# Altium PCB STMF1.PcbDoc (continued)
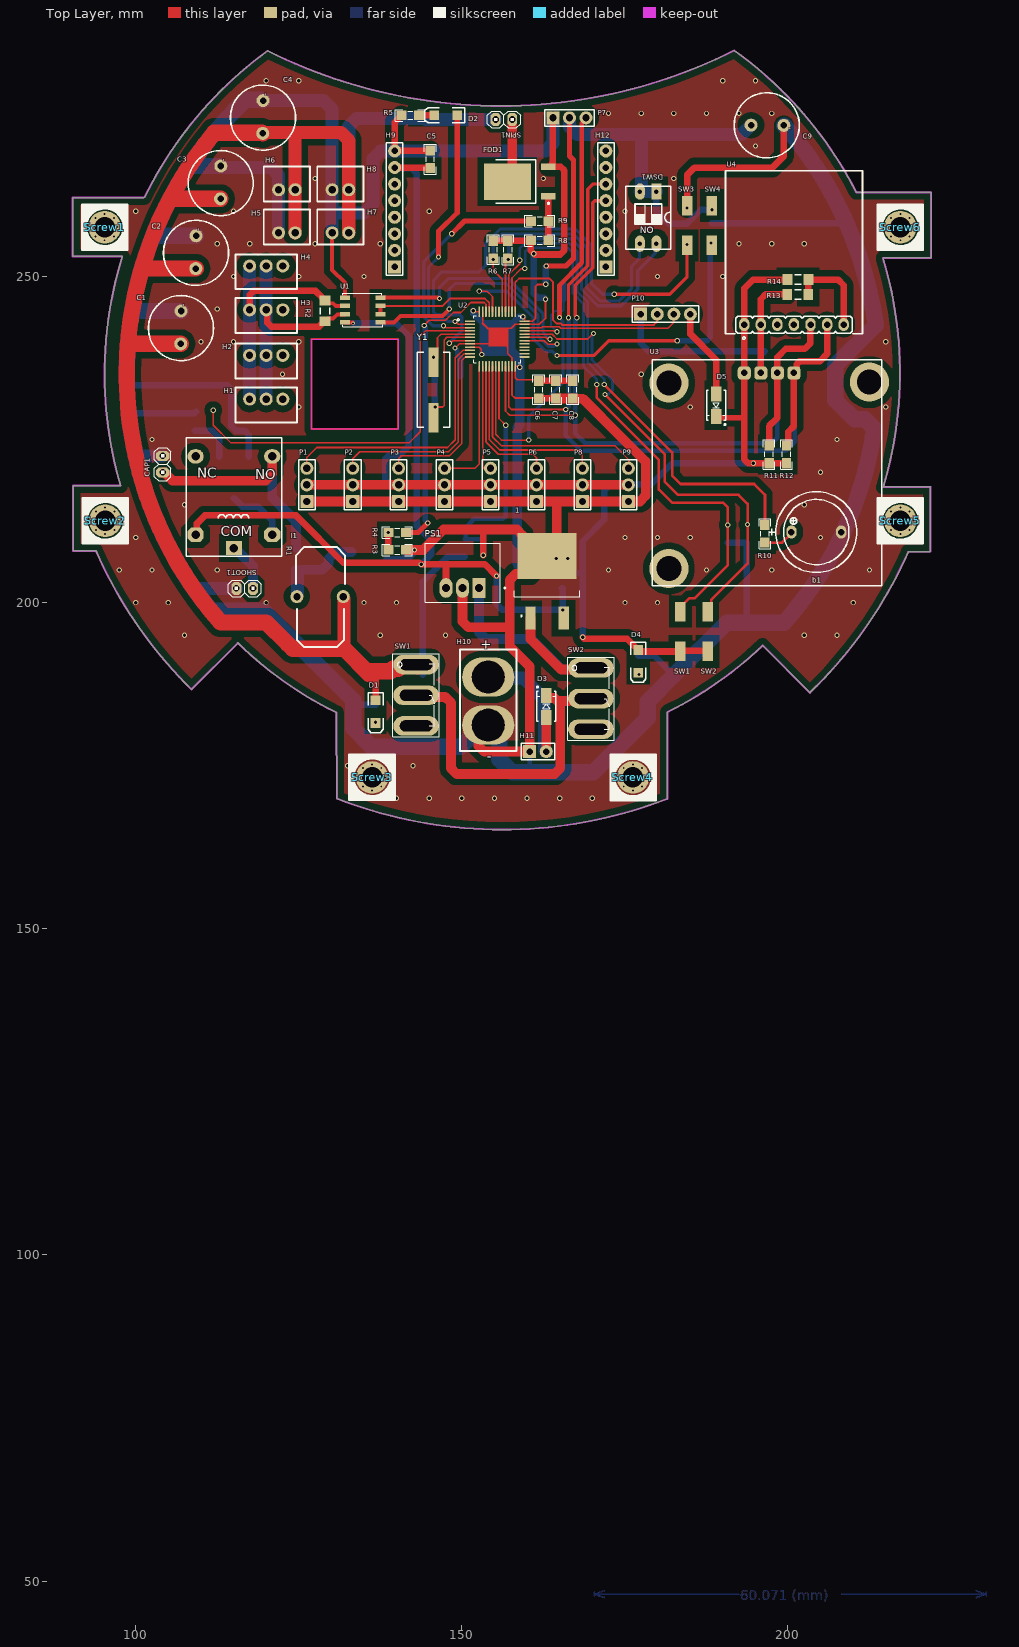
[diagram p0: Top Layer view]
## Nets (pads, with @x,y where several pads share a name; then routed paths per layer and width w, separated by ;. In a path a pad name is that pad's centre, name@x,y a point inside that pad or via, vN(x,y) a via of type N, cw(c..) or ccw(c..) an arc to the next point about the centre after c; other vN are vias at no path point)
3.3V: 
5V: 1.3 2.3 C5.2 H9.7 PS1.3 R1.4 | length 144.7
  Top Layer w1: R1.4 109.391,210.621 109.391,212.134 110.617,213.36 124.587,213.36 131.826,206.121 143.51,206.121 v1(143.764,205.867) 147.574,205.867 ; H9.7 139.74,266.66 145.121,266.66 C5.2 ; PS1.3 147.574,205.867 ; v1(155.321,204.089) 153.543,205.867 147.574,205.867
  Bottom Layer w1: H9.7 139.827,266.573 142.282,266.573 143.076,265.779 143.076,241.469 143.109,241.437 143.109,211.729 145.288,209.55 145.288,207.391 v1(143.764,205.867) ; v1(155.321,204.089) 155.321,199.771 156.21,198.882 v1(165.481,198.882) 165.481,202.17 2.3
12V: 1.1 PS1.1 SW2.3 | length 40.9
  Top Layer w1.5: 1.1 160.528,194.437 165.234,189.731 169.538,189.731 SW2.3
  Bottom Layer w1.5: PS1.1 152.654,195.453 153.67,194.437 160.655,194.437 165.298,189.794 169.601,189.794 SW2.3
+3.3V: 
+5: 
A: H1.3 H2.3 H3.3 H4.3 R2.2 U1.6 | length 38.1
  Top Layer w0.6: R2.2 129.462,245.899 130.275,245.899 130.683,245.491 U1.6
  Top Layer w1: H3.3 117.475,247.191 118.061,247.777 127.584,247.777 128.682,246.679 R2.2@128.682,246.579
  Bottom Layer w2: H1.3 H2.3 H3.3 H4.3
ADC0: P1.3 U2.10 | length 40.8
  Top Layer w0.25: P1.3 126.238,222.25 127.762,223.774 147.807,223.774 148.925,224.892 148.925,224.917 ; 148.971,224.917 148.971,237.363 148.987,237.379 148.987,237.523 150.125,238.661 U2.10
ADC1: P2.3 U2.11 | length 33.5
  Top Layer w0.25: P2.3 133.279,222.052 134.366,223.139 147.955,223.139 149.479,224.663 149.479,237.109 149.487,237.117 149.487,237.316 150.332,238.161 150.369,238.161 U2.11
ADC2: P3.3 U2.12 | length 26.4
  Top Layer w0.25: P3.3 140.321,222.109 140.716,222.504 148.103,222.504 149.987,224.388 149.987,237.109 150.539,237.661 U2.12
ADC3: P4.3 U2.13 | length 20.6
  Top Layer w0.25: P4.3 152.019,220.599 152.698,221.278 U2.13
ADC4: P5.3 U2.14 | length 16.7
  Top Layer w0.25: U2.14 153.198,220.775 153.374,220.599 P5.3
ADC5: P6.3 U2.15 | length 21.9
  Top Layer w0.25: 153.698,224.635 U2.15 ; 153.752,224.635 153.752,224.581 155.575,222.758 160.909,222.758 161.445,222.222 P6.3
ADC6: P8.3 U2.16 | length 28.6
  Top Layer w0.25: 154.198,225.024 U2.16 ; 154.252,225.024 154.252,224.97 155.829,223.393 167.894,223.393 168.487,222.8 P8.3
ADC7: P9.3 U2.17 | length 34.5
  Top Layer w0.25: 154.698,225.413 U2.17 ; 154.752,225.413 154.752,225.359 156.083,224.028 173.482,224.028 175.641,221.869 175.641,220.712 P9.3
ADC8: P7.3 U2.18 | length 69.3
  Top Layer w0.25: U2.18 155.198,225.802 156.083,224.917 v1(160.274,224.917)
  Top Layer w0.7: v1(164.973,243.713) 164.973,248.666 168.402,252.095 168.402,273.51 169.037,274.145 P7.3
  Bottom Layer w0.5: v1(160.274,224.917) 160.274,228.473 165.496,233.695 165.496,243.109 164.973,243.632 v1(164.973,243.713)
ADC9: R22.1 R23.1 U2.19 | length 34.9
  Top Layer w0.25: U2.19 155.698,228.223 v1(156.718,227.203)
  Bottom Layer w0.7: R22.1 R23.1 150.585,209.855 150.585,211.523 151.914,212.852 156.308,212.852 156.718,213.262 v1(156.718,227.203)
ADC10: 
ADC11: 
ADC12: 
ADC13: 
ADC14: 
ADC15: 
ADCOUT: 
ADD0: 
ADD1: 
ADD2: 
ADD3: 
"AIR MIX MA +": 
"AIR MIX MA -": 
B: H1.2 H2.2 H3.2 H4.2 R2.1 U1.7 | length 35.4
  Top Layer w0.6: R2.1 129.462,243.559 130.275,243.559 130.907,244.191 132.031,244.191 U1.7
  Top Layer w1: H3.2 120.206,244.699 120.206,242.902 120.792,242.316 128.119,242.316 128.932,243.129 R2.1
  Bottom Layer w2: H1.2 H2.2 H3.2 H4.2
b11: 
b12: 
b13: 
b14: 
b21: 
b22: 
b23: 
b24: 
BAT_Volt: 
BOOST_CTRL: R4.1 U2.46 | length 46.6
  Top Layer w0.25: v1(144.23,242.476) 145.023,243.268 147.511,243.268 148.717,244.475 149.86,244.475 151.384,245.999 153.416,245.999 153.698,245.717 U2.46
  Top Layer w0.8: R4.1 143.315,210.752 v1(144.78,212.217)
  Bottom Layer w0.8: v1(144.23,242.476) 144.403,242.304 144.403,212.594 v1(144.78,212.217)
BOOT0: R17.2 SW4.1 U2.44 | length 62.2
  Top Layer w0.25: v1(152.681,247.75) 153.865,247.75 154.698,246.917 U2.44
  Top Layer w0.5: v1(164.592,237.871) 170.226,237.871 172.512,240.157 v1(183.007,240.157)
  Bottom Layer w0.5: v1(152.681,247.75) 156.892,247.75 160.933,243.709 160.933,240.452 162.867,238.518 163.887,238.518 164.534,237.871 v1(164.592,237.871)
  Bottom Layer w0.8: v1(183.007,240.157) 187.621,240.157 188.09,240.626 188.09,255.069 188.164,255.143 v1(188.214,255.143) R17.2@188.443,255.372
buz: b1.1 R10.2 | length 4.9
  Top Layer w0.4: R10.2 199.107,209.194 200.533,210.62 b1.1
Buzzer: R10.1 U2.39 | length 80.5
  Top Layer w0.25: U2.39 157.198,250.289 158.877,251.968 v1(158.877,252.476)
  Top Layer w0.4: v1(171.831,233.426) 182.245,223.012 182.245,219.456 183.515,218.186 194.818,218.186 196.469,216.535 R10.1
  Bottom Layer w0.4: v1(158.877,252.476) 158.877,254.254 159.698,255.075 162.335,255.075 166.468,255.075 167.655,253.888 167.655,247.713 169.306,246.062 169.306,236.84 171.831,234.315 v1(171.831,233.426)
DIP1: DSW1.4 R7.2 U2.40 | length 48
  Top Layer w0.25: U2.40 156.698,252.386 R7.2
  Bottom Layer w0.5: v1(157.099,252.603) 157.188,252.692 157.188,255.105 157.858,255.775 166.157,255.775 166.758,255.775 168.355,254.178 168.355,248.003 170.855,245.503 174.447,245.503 176.976,248.032 176.976,250.89 179.641,253.555 179.641,254.826 DSW1.4
DIP2: DSW1.3 R6.2 U2.41 | length 49.1
  Top Layer w0.25: R6.2 154.813,250.952 156.198,249.567 U2.41
  Bottom Layer w0.5: v1(154.813,252.603) 154.813,255.143 156.195,256.525 166.467,256.525 167.069,256.525 169.105,254.489 169.105,248.314 171.166,246.253 174.137,246.253 176.022,248.138 176.022,251.587 177.244,252.809 177.244,254.969 DSW1.3
DIPSW1: 
DIPSW2: 
ENA_1: 
ENA_2: 
ENA_3: 
ENA_4: 
ENB_1: 
ENB_2: 
ENB_3: 
ENB_4: 
GATE: FDD1.1 R8.1 R9.1 | length 6.7
  Top Layer w1: R8.1 R9.1 FDD1.1
GATE_BOOST: FDD2.1 R3.2 R4.2 | length 2.7
  Top Layer w1: R3.2 v1(138.731,210.752) R4.2@138.737,210.746
GATE_RELAY: FDD3.1 R25.2 R26.2 | length 7.2
  Bottom Layer w1: R26.2 R25.2 111.76,226.311 112.782,225.289 FDD3.1
GND: 1.4 2.1 b1.2 C1.- C2.- C3.- C4.- C5.1 C6.1 C7.1 C8.1 C9.- C10.2 C11.2 CAP1.2 FDD1.3 FDD2.3 FDD3.3 H5.1 H6.1 H7.1 H8.1 H9.8 H10.2 H11.1 P1.1 P2.1 P3.1 P4.1 P5.1 P6.1 P7.1 P8.1 P9.1 P10.1 PS1.2 R3.1 R5.1 R6.1 R7.1 R8.2 R13.1 R15.1 R16.2 R17.1 R19.1 R21.2 R22.2 R24.1 R26.1 Screw3.S Screw4.S SHOOT1.1 SW3.2 U1.5 U2.8 U2.23 U2.35 U2.47 U3.1 U4.2 | length 859.9
  Top Layer w0.25: v1(148.971,239.035) 149.597,239.661 U2.8 154.547,239.661 154.559,239.649 ; 153.198,242.788 U2.47 ; 156.822,242.039 157.584,242.039 158.206,242.661 U2.35 161.889,242.661 162.818,243.59 ; 157.02,239.22 157.02,238.204 157.698,237.526 U2.23 157.698,231.811 158.115,231.394
  Top Layer w0.3: 153.198,242.788 153.947,242.039 154.455,242.039 155.448,241.046 ; 156.718,241.935 156.822,242.039 ; 156.972,239.268 157.02,239.22 ; 158.115,231.394 161.718,231.394 C6.1 ; 162.818,243.59 v1(162.818,246.519)
  Top Layer w0.6: H7.1 130.124,251.003 132.061,249.066 U1.5
  Top Layer w1: R5.1 140.713,274.701 140.488,274.476 140.488,274.426 139.7,273.638 H9.8 139.74,269.28 145.121,269.28 C5.1 ; 153.162,211.201 153.289,211.074 v1(153.289,207.264) ; R6.1 154.843,255.507 160.545,255.507 R8.2 160.575,253.936 v1(161.036,253.475) ; 157.226,198.247 157.353,198.374 ; v1@161.043,253.482 161.161,253.365 165.1,253.365 165.735,254 165.735,266.235 165.149,266.821 FDD1.3@163.875,266.821 ; C6.1 C7.1 ; FDD1.3 FDD1.3@163.875,266.821 ; P7.1 163.957,267.503 163.875,267.421 FDD1.3@163.875,266.821 ; v1(184.531,260.477) SW3.2 184.531,265.557 185.674,266.7 197.612,266.7 199.367,268.455 C9.- ; U3.1 U4.2 195.834,246.507 196.571,247.244 R13.1
  Top Layer w1.5: P1.1 P2.1 P3.1 P4.1 P5.1 P6.1 164.55,215.519 ; R3.1 v1(142.754,208.085) 144.077,208.085 147.193,211.201 153.162,211.201 158.439,211.201 159.318,210.322 159.318,209.887 162.068,207.137 1.4 ; PS1.2 150.114,197.094 150.993,196.215 157.353,196.215 ; H10.2@152.543,181.229 152.543,178.044 153.422,177.165 H11.1 160.401,190.246 157.353,193.294 157.353,196.215 ; C7.1 C8.1 167.03,231.289 167.505,231.289 167.53,231.264 168.532,231.264 174.498,225.298 178.181,221.615 178.181,216.398 177.302,215.519 P9.1 P8.1 164.55,215.519 ; 157.353,196.215 157.353,198.374 157.353,203.508 158.232,204.387 160.318,204.387 1.4 ; 1.4 164.55,208.619 164.55,215.519
  Bottom Layer w0.7: v1(148.971,239.035) 148.971,239.008 149.303,238.676 149.303,237.965 C11.2 ; 160.274,173.99 160.401,174.117 H11.1 H11.1@160.586,176.98
  Bottom Layer w1: 98.829,233.299 114.095,233.299 114.681,232.713 114.681,227.044 115.351,226.375 116.672,226.375 117.342,225.705 FDD3.3 ; 98.947,229.083 98.968,229.061 R26.1 R26.1@109.259,229.286 ; 133.35,185.039 134.032,184.357 R24.1 ; C10.2 C11.2 ; v1(161.036,253.475) 161.036,247.351 161.622,246.765 162.572,246.765 v1(162.818,246.519) ; R19.1 179.498,191.85 182.501,188.847 ; P10.1 177.419,239.776 178.689,238.506 196.42,238.506 195.834,237.92 U3.1 ; R17.1 208.868,258.144 209.053,257.959 ; R16.2 R15.1 193.642,197.034 193.548,196.939
  Bottom Layer w1.5: FDD2.3 141.056,206.387 v1(142.754,208.085)
  Bottom Layer w2: 99.99,222.64 100.126,222.504 CAP1.2 ; 108.682,202.551 109.049,202.184 SHOOT1.1 ; C3.- 113.281,266.7 120.748,266.7 121.92,265.528 H6.1 H5.1 ; C4.- 119.55,276.987 128.778,276.987 130.124,275.641 H8.1 130.124,259.715 ; H7.1 130.124,259.715 ; P7.1 163.957,270.412 162.785,269.24 H9.8 137.57,269.24 136.398,268.068 136.398,261.112 135.001,259.715 130.124,259.715
  Bottom Layer w2.5: C1.- 99.739,244.706 99.494,244.952 ; C2.- 103.008,256.241 102.77,256.478 ; C3.- 108.78,266.931 108.471,267.241 ; C4.- 119.396,277.095 116.866,277.095 ccw(c156.235,235.052) 108.471,267.241 ; C9.-@199.415,273.133 cw(c156.209,235.043) 209.053,257.959 cw(c153.124,233.705) 213.444,242.527 207.264,236.347 207.264,231.013 210.185,228.092 211.817,228.092 213.214,226.695 cw(c156.221,235.03) 199.427,196.939 193.548,196.939 190.593,196.939 182.501,188.847 178.498,184.845 178.498,182.308 170.18,173.99 160.274,173.99 157.734,173.99 155.721,176.003 155.721,179.612 154.104,181.229 153.139,181.229 149.837,177.927 136.144,177.927 133.35,180.721 133.35,185.039 119.634,198.755 111.634,198.755 cw(c140.975,224.622) 108.682,202.551 cw(c156.235,235.052) 99.99,222.64 cw(c156.235,235.052) 98.947,229.083 cw(c156.235,235.052) 98.736,231.666 cw(c156.235,235.052) 99.494,244.952 ; 99.494,244.952 cw(c156.235,235.052) 102.77,256.478 ; 102.77,256.478 cw(c156.235,235.052) 108.471,267.241
  other v1: 140,170 145,170 150,170 155,170 160,170 165,170 170,170 175,170 132.5,175 142.5,175 107.5,195 137.5,195 147.5,195 202.5,195 207.5,195 100,200 105,200 120,200 135,200 140,200 175,200 180,200 210,200 97.5,205 102.5,205 112.5,205 172.5,205 187.5,205 197.5,205 212.5,205 164.465,206.756 166.243,206.756 100,210 175,210 180,210 185,210 205,210 107.5,215 202.5,215 205,220 102.5,225 207.5,225 125,230 185,230 215,230 122.5,235 177.5,235 110,240 115,240 125,240 215,240 112.5,245 115,250 125,250 135,250 180,250 190,250 112.5,255 117.5,255 127.5,255 137.5,255 192.5,255 197.5,255 202.5,255 100,260 115,260 145,260 175,260 127.5,265 162.5,265 182.5,265 195,270 172.5,275 177.5,275 182.5,275 187.5,275 192.5,275 197.5,275 120,280 125,280 190,280 195,280
I2C_SCL: 
I2C_SDA: 
ID: R20.1 R21.1 U2.33 | length 14.1
  Top Layer w0.25: U2.33 164.049,241.661 164.092,241.618 164.487,241.618 v1(164.592,241.513)
  Bottom Layer w0.3: v1(164.592,241.513) 163.703,242.402 163.703,244.094 164.338,244.729 165.432,244.729 165.608,244.905 165.608,246.47 R21.1
  Bottom Layer w1: R21.1 165.55,246.551 165.55,248.782 R20.1
INA1: U2.28
INA2: U2.27
INA3: U2.26
INA4: U2.25
INA_1: 
INA_2: 
INA_3: 
INA_4: 
INB1: 
INB2: 
INB3: 
INB4: 
INB_1: 
INB_2: 
INB_3: 
INB_4: 
Inductor: D6.1 FDD2.4 I1.1 | length 17.8
  Bottom Layer w1.5: I1.1@124.587,201.041 D6.1 ; I1.1 125.095,201.295 125.095,205.056 128.602,205.056 129.611,206.065 129.611,206.738 130.645,207.772 FDD2.4@133.096,207.772
IO: U1.2 U1.3 U2.45 | length 20.1
  Top Layer w0.25: 153.534,246.634 154.198,245.97 U2.45
  Top Layer w0.3: U1.3 147.066,245.491 148.209,246.634 153.534,246.634
  Top Layer w0.6: U1.2 U1.3
LED1: D1.2 R24.2
  other v1: 136.779,181.657
LED2: D4.2 R19.2
  other v1: 177.165,188.976
LED3: D2.1 U2.2 | length 39.3
  Top Layer w0.25: v1(148.971,243.078) 149.052,243.078 149.469,242.661 U2.2
  Top Layer w0.8: v1(146.431,252.984) 146.431,256.921 149.287,259.777 D2.1
  Bottom Layer w0.5: v1(146.431,252.984) 144.895,251.448 144.895,244.203 145.751,243.347 147.567,243.347 147.821,243.093 148.956,243.093 v1(148.971,243.078)
LED3_RES: D2.2 R5.2 | length 2.3
  Top Layer w1: R5.2 143.465,274.703 145.784,274.703 D2.2
LED4: 
LED5: 
M1: FDD1.4 SPIN1.2 | length 9.5
  Top Layer w1.5: FDD1.4 157.734,265.3 SPIN1.2@157.734,273.685
MA1: 
MA2: 
MA3: 
MA4: 
MB1: 
MB2: 
MB3: 
MB4: 
"MODE MA +": 
"MODE MA -": 
MOTOR: 
MOTORS_EN: 
NET1: R13.2 R14.1 U4.7 | length 14.1
  Top Layer w1: R13.2 203.111,247.256 203.111,249.517 R14.1 207.67,249.53 208.534,248.666 U4.7
NetD5_1: D5.1 P10.4 | length 13.9
  Top Layer w1: P10.4 185.039,241.173 188.976,237.236 D5.1
NewNet: 
NRST: R18.2 SW3.1 U2.7 | length 75.3
  Top Layer w0.25: v1(148.082,239.776) 148.231,239.776 148.616,240.161 U2.7
  Top Layer w0.5: v1(173.355,247.269) 181.864,247.269 184.531,249.936 SW3.1
  Bottom Layer w0.5: v1(148.082,239.776) 149.987,241.681 149.987,243.828 149.694,244.121 146.062,244.121 145.669,244.514 145.669,249.428 146.939,250.698 152.654,250.698 153.67,251.714 153.67,255.061 155.884,257.275 167.379,257.275 169.855,254.8 169.855,248.991 171.577,247.269 v1(173.355,247.269)
  other v1: 184.531,254.889
OSC_IN: C11.1 U2.5 Y1.2 | length 9.2
  Top Layer w0.25: Y1.2 146.269,237.455 146.269,240.63 146.8,241.161 U2.5
  other v1: 145.669,237.617
OSC_OUT: C10.1 U2.6 Y1.1 | length 21.9
  Top Layer w0.25: Y1.1 145.669,229.397 146.096,229.824 146.269,229.997 147.066,229.997 147.303,230.234 147.303,240.267 147.697,240.661 U2.6
  Bottom Layer w1: C10.1 145.878,230.042 v1(145.923,229.997)
OUT_1A: 
OUT_1B: 
OUT_2A: 
OUT_2B: 
OUT_3A: 
OUT_3B: 
OUT_4A: 
OUT_4B: 
PWM1: U2.43
PWM2: 
PWM3: U2.42
PWM4: U2.29
PWM_1: 
PWM_2: 
PWM_3: 
PWM_4: 
RELAY: FDD3.4 R1.5 | length 9.5
  Bottom Layer w1: FDD3.4 116.368,214.726 118.776,214.726 120.937,212.565 R1.5
RELAY_CTRL: 
RES1: 
RES2: 
RES3: 
RES4: 
RES5: 
RX: U1.4 U2.31 | length 37.8
  Top Layer w0.25: U2.31 162.846,240.661 163.02,240.487 163.414,240.487 v1(163.519,240.382)
  Top Layer w0.6: U1.4 146.392,246.761 146.519,246.634 v1(146.573,246.634)
  Bottom Layer w0.5: v1(146.573,246.634) 146.573,248.3 147.943,249.67 157.094,249.67 162.433,244.331 162.433,241.468 v1(163.519,240.382)
RX2: 
S3: 
S4: 
S5: 
S6: 
S7: 
S8: 
S9: 
S10: 
S11: 
S12: 
S13: 
S14: 
S15: 
SCL: H12.5 R11.1 U2.21 U3.3 U4.5 | length 121.5
  Top Layer w0.25: U2.21 156.698,229.382 157.353,228.727 v1(167.386,228.727)
  Top Layer w0.5: v1(167.636,243.662) 167.636,243.743 167.386,243.993 167.386,248.666 170.053,251.333 170.053,261.327 170.346,261.62 H12.5
  Top Layer w1: R11.1 197.102,227.074 198.374,228.346 U3.3 198.374,237.617 199.67,238.913 202.591,238.913 203.444,239.766 203.444,242.612 U4.5
  Bottom Layer w0.7: v1(167.636,243.662) 167.636,243.635 167.386,243.385 v1(167.386,228.727) 167.386,225.933 168.91,224.409 197.485,224.409 198.374,225.298 U3.3
SDA: H12.6 R12.1 U2.22 U3.4 U4.6 | length 127.7
  Top Layer w0.25: U2.22 157.198,230.025 157.607,229.616 v1(165.924,229.616)
  Top Layer w0.5: v1(166.37,243.662) 166.37,248.711 169.291,251.632 169.291,263.398 170.053,264.16 H12.6
  Top Layer w1: R12.1 200.025,224.315 200.025,226.187 200.914,227.076 U3.4 201.338,235.628 201.338,236.572 201.748,236.982 204.851,236.982 205.994,238.125 U4.6
  Bottom Layer w0.7: v1(166.37,243.662) 166.37,230.062 v1(165.924,229.616) 165.924,225.617 168.275,223.266 199.644,223.266 201.041,224.663 U3.4@201.041,235.331
SHIFT5: 
shoot: R25.1 U2.4 | length 58.4
  Top Layer w0.25: v1(111.887,229.489) 111.887,227.203 114.554,224.536 141.986,224.536 143.637,226.187 143.637,240.792 144.506,241.661 U2.4
spin: R9.2 U2.3 | length 35.2
  Top Layer w0.25: v1(147.193,242.443) 147.274,242.443 147.556,242.161 U2.3
  Top Layer w0.8: v1(148.463,256.54) 150.419,258.496 R9.2
  Bottom Layer w0.5: v1(147.193,242.443) 145.542,242.443 144.145,243.84 144.145,252.222 v1(148.463,256.54)
SW1: R16.1 SW1.1@183.515,198.628 U2.38 | length 91.2
  Top Layer w0.25: U2.38 157.698,249.773 159.131,251.206 v1(159.639,251.206)
  Top Layer w0.4: v1(170.688,233.426) 170.688,231.394 180.213,221.869 180.213,217.337 182.265,215.286 190.098,215.286 190.768,214.616 v1(190.768,211.894) 190.768,205.754 185.674,200.66 184.847,200.66 183.515,199.328 SW1.1@183.515,198.628
  Bottom Layer w0.4: v1(159.639,251.206) 159.716,251.283 159.716,251.565 159.731,251.581 159.731,253.918 160.238,254.425 166.199,254.425 167.005,253.619 167.005,247.444 168.656,245.793 168.656,236.22 170.688,234.188 v1(170.688,233.426)
SW2: R15.2 SW2.1@187.676,198.628 U2.32 | length 73
  Top Layer w0.25: U2.32 163.842,241.161 164.592,240.411 169.291,240.411 170.146,241.266 v1(170.18,241.266)
  Top Layer w0.4: v1(171.958,231.902) 181.087,222.773 181.087,218.582 183.134,216.535 192.405,216.535 193.802,215.138 v1(193.802,211.963) 193.802,205.994 188.23,200.422 188.23,199.182 SW2.1@187.676,198.628
  Bottom Layer w0.4: v1(170.18,241.266) 170.18,241.192 169.956,240.968 169.956,237.206 173.101,234.061 173.101,232.537 172.519,231.955 172.011,231.955 v1(171.958,231.902)
SW3: 
SW4: 
SW5: 
SWCLK: P10.2 U2.37 | length 34.3
  Top Layer w0.25: U2.37 158.198,249.13 158.75,249.682
  Top Layer w0.3: 158.75,249.682 163.449,249.682 163.957,249.174 163.957,243.332 164.472,242.817 165.132,242.817 165.379,242.57 179.451,242.57 179.959,243.078 P10.2
SWDIO: P10.3 U2.34 | length 24.7
  Top Layer w0.25: U2.34 162.206,242.161 162.337,242.292 164.915,242.292 165.161,242.045 181.593,242.045 182.499,242.951 P10.3
SWR1: 
SWR2: 
SWR3: 
SWR4: 
SWR5: 
TX: U1.1 U2.30 | length 42.5
  Top Layer w0.25: U2.30 162.639,240.161 163.197,239.603 164.546,239.603 v1(164.575,239.632)
  Top Layer w0.6: U1.1 139.573,242.951 140.589,243.967 147.066,243.967 148.082,244.983 v1(148.082,245.025)
  Bottom Layer w0.5: v1(148.082,245.025) 148.082,248.031 148.971,248.92 156.783,248.92 161.683,244.02 161.683,240.829 163.244,239.268 164.132,239.268 164.496,239.632 v1(164.575,239.632)
TX2: 
UART1_RX: 
UART1_TX: 
UART2_RX: 
UART2_TX: 
VBat: D3.1 H10.1 H11.2 | length 23.4
  Top Layer w1.5: H11.2 D3.1
  Bottom Layer w2: H10.1 154.19,188.456 159.397,188.456 162.655,185.198 162.655,177.451 H11.2
VBOOST: CAP1.1 D6.2 R1.3 | length 35.9
  Top Layer w1.5: CAP1.1 104.394,219.964 105.664,218.694 119.888,218.694 120.937,219.743 R1.3
  Bottom Layer w1.5: R1.3 120.937,216.121 124.587,212.471 D6.2
VCC: 2.2 2.4 C6.2 C7.2 C8.2 C9.+ D4.1 D5.2 DSW1.1 DSW1.2 P1.2 P2.2 P3.2 P4.2 P5.2 P6.2 P7.2 P8.2 P9.2 R11.2 R12.2 R14.2 R18.1 R20.2 SW1.2@183.515,192.532 SW2.2@187.676,192.532 SW4.2 U1.8 U2.9 U2.24 U2.36 U2.48 U3.2 U4.1 | length 367.3
  Top Layer w0.25: U2.9 152.68,239.161 152.992,238.849 152.992,238.096 v1(153.068,238.02) ; v1(151.765,244.729) 151.914,244.729 152.052,244.591 U2.48 ; v1(158.877,236.093) 158.728,236.093 158.59,236.231 U2.24 158.198,234.486 158.496,234.188 C6.2@161.624,234.188 ; v1(159.388,243.84) 159.388,243.815 159.628,243.575 U2.36 160.865,243.161 161.29,243.586
  Top Layer w0.3: 161.29,243.586 161.29,248.412 161.671,248.793 v1(162.861,248.793) ; C6.2@161.624,234.188 C6.2
  Top Layer w0.6: U1.8 132.072,242.94 133.234,242.94 v2(133.35,242.824)
  Top Layer w0.8: v1(162.941,251.587) 165.989,251.587 167.132,252.73 167.132,267.843 166.497,268.478 P7.2 ; D5.2 189.181,228.346 193.294,228.346
  Top Layer w1: C6.2 C7.2 C8.2 ; v1(168.529,194.691) 168.783,194.437 175.359,194.437 D4.1 ; D4.1@177.038,192.508 SW1.2@183.491,192.508 ; SW1.2@183.515,192.532 183.609,192.626 SW2.2@187.676,192.626 ; R12.2 R11.2 v1(194.691,221.361) 193.88,221.361 193.294,221.947 193.294,228.346 U3.2 U4.1 193.294,248.158 194.666,249.53 R14.2
  Top Layer w1.5: P1.2 P2.2 P3.2 P4.2 P5.2 P6.2 P8.2 P9.2
  Bottom Layer w1: v2(133.35,242.824) 139.954,242.824 141.859,240.919 141.859,224.028 140.398,222.567 138.824,222.567 138.239,221.981 138.239,218.836 138.824,218.25 140.13,218.25 P3.2 ; v1(151.765,244.729) 151.765,244.309 153.25,242.824 157.734,242.824 158.75,243.84 v1(159.388,243.84) ; 2.4 2.2 168.178,204.47 168.529,204.119 ; v1(162.861,248.793) 162.861,251.507 v1(162.941,251.587) ; v1(168.529,194.691) 168.529,204.119 ; DSW1.1 179.832,259.969 181.714,258.087 R18.1 184.531,258.137 186.617,260.223 v1(188.341,260.223) ; v1(194.691,221.361) 182.245,221.361 179.039,218.155 172.816,218.155 171.831,217.17 171.831,212.725 168.529,209.423 168.529,204.119
  Bottom Layer w1.5: 155.492,240.582 158.877,237.197 158.877,227.266 158.496,226.885 158.496,205.957 159.533,204.92 2.4 ; 158.877,218.059 P6.2
  Bottom Layer w2: P7.2 166.497,272.952 167.669,271.78 177.542,271.78 ; DSW1.1 DSW1.2 177.542,263.267 177.542,271.78 ; C9.+ 192.916,271.78 177.542,271.78
VIN: D3.2 SW1.2@143.002,185.801 SW2.2@169.799,185.293 | length 51.4
  Top Layer w1.5: SW1.2@143.002,185.801 143.256,185.547 147.457,185.547 148.336,184.668 148.336,174.615 149.215,173.736 164.211,173.736 165.1,174.625 165.1,184.522 164.221,185.401 162.991,185.401 162.941,185.451 D3.2 ; 164.71,184.912 166.357,184.912 166.451,185.006 169.512,185.006 SW2.2@169.799,185.293
VP: 
VREF1: 
VREF2: 
VREF3: 
VREF4: 
VSHOOT: R1.1 SHOOT1.2 | length 7.5
  Bottom Layer w1.5: R1.1 115.212,208.367 117.077,206.502 117.104,206.502 117.983,205.623 SHOOT1.2
VSS: C1.+ C2.+ C3.+ C4.+ D1.1 H5.2 H6.2 H7.2 H8.2 I1.2 R23.2 SPIN1.1 SW1.3 | length 258.2
  Top Layer w1: D1.1 136.779,188.977
  Top Layer w2: C4.+ 119.591,272.034 124.46,272.034 ; H5.2 H6.2 124.46,272.034 ; 131.953,192.913 I1.2@131.953,200.66 ; H7.2 H8.2 132.664,270.862 131.493,272.034 124.46,272.034
  Top Layer w2.5: C1.+ 98.951,239.672 98.811,239.532 ; C2.+ 101.219,251.206 100.838,250.825 ; 112.014,272.034 112.077,272.034 ; C3.+ 105.329,261.897 105.215,261.783 ; C4.+ 119.383,272.034 112.077,272.034 ; 135.382,189.484 139.065,189.484 139.446,189.865 140.232,189.865 140.771,190.404 143.121,190.404 SW1.3@143.256,190.269 ; 135.889,188.977 131.953,192.913 124.079,192.913 123.319,193.673 120.031,196.961 113.029,196.961 cw(c156.235,235.052) 98.811,239.532 ; 98.811,239.532 cw(c156.235,235.052) 100.838,250.825 ; 100.838,250.825 cw(c156.235,235.052) 105.215,261.783 ; 105.215,261.783 cw(c156.235,235.052) 112.077,272.034
  Bottom Layer w1: 144.021,188.978 144.021,203.203 147.816,206.998 R23.2
  Bottom Layer w2: H8.2 132.664,273.021 133.836,274.193 144.34,274.193 144.467,274.066 SPIN1.1
pads on no net: H1.1 H2.1 H3.1 H4.1 H9.1 H9.2 H9.3 H9.4 H9.5 H9.6 H12.1 H12.2 H12.3 H12.4 H12.7 H12.8 R1.2 Screw1.S Screw2.S Screw5.S Screw6.S SW1.1@143.002,181.102 SW2.1@169.799,180.594 U2.1 U2.20 U3.139 U3.140 U3.141 U4.3 U4.4
copper on no net: | length 160
  Top Layer w0.3: 126.975,226.593 126.975,240.411 140.233,240.411 140.233,226.593 126.975,226.593
  Bottom Layer w0.254: 170.307,47.752 170.307,48.26 ; 171.831,47.498 170.307,48.006 ; 171.831,48.514 170.307,48.006 ; 192.446,48.006 170.307,48.006 ; 208.239,48.006 230.378,48.006 ; 228.854,47.498 230.378,48.006 ; 228.854,48.514 230.378,48.006 ; 230.378,47.752 230.378,48.26
  Bottom Layer w0.3: 126.975,226.593 140.233,226.593 140.233,240.411 126.975,240.411 126.975,226.593

## Polygon pours and split planes (outlines as drawn)
GND on Bottom Layer "GND_L02_P003" (solid, pour order 3): 108.573,186.678 cw(c156.21,235.204) 93.933,207.898 93.878,207.95 90.449,207.95 90.424,207.941 90.424,217.932 97.688,217.932 97.691,217.917 cw(c156.235,235.052) 97.946,253.034 97.917,253.06 90.348,253.06 90.348,262.052 90.322,262.103 101.244,262.103 101.367,262.143 cw(c156.134,235.28) 120.203,284.575 120.213,284.596 ccw(c155.938,355.877) 191.743,284.635 191.803,284.623 cw(c156.185,235.102) 210.486,262.893 210.541,262.89 221.945,262.89 221.945,252.857 221.894,252.832 214.579,252.832 214.582,252.721 cw(c156.159,235.179) 214.619,217.758 214.604,217.736 221.868,217.753 221.844,217.754 221.844,207.797 218.415,207.797 218.44,207.791 cw(c156.21,235.204) 203.426,186.269 203.352,186.182 196.101,193.434 196.102,193.433 cw(c156.024,235.151) 181.557,183.241 181.508,183.231 181.508,169.926 181.413,169.898 cw(c156.21,235.204) 130.84,169.963 130.835,169.977 130.785,183.155 130.691,183.193 cw(c156.235,235.204) 115.644,193.852 115.621,193.751
GND on Top Layer "GND_L01_P002" (solid, pour order 2): 108.573,186.678 cw(c156.21,235.204) 93.933,207.898 93.878,207.95 90.449,207.95 90.424,207.941 90.424,217.932 97.688,217.932 97.691,217.917 cw(c156.235,235.052) 97.946,253.034 97.917,253.06 90.348,253.06 90.348,262.052 90.322,262.103 101.244,262.103 101.367,262.143 cw(c156.134,235.28) 120.203,284.575 120.213,284.596 ccw(c155.938,355.877) 191.743,284.635 191.803,284.623 cw(c156.185,235.102) 210.486,262.893 210.541,262.89 221.945,262.89 221.945,252.857 221.894,252.832 214.579,252.832 214.582,252.721 cw(c156.159,235.179) 214.619,217.758 214.604,217.736 221.868,217.753 221.844,217.754 221.844,207.797 218.415,207.797 218.44,207.791 cw(c156.21,235.204) 203.426,186.269 203.352,186.182 196.101,193.434 196.102,193.433 cw(c156.024,235.151) 181.557,183.241 181.508,183.231 181.508,169.926 181.413,169.898 cw(c156.21,235.204) 130.84,169.963 130.835,169.977 130.785,183.155 130.691,183.193 cw(c156.235,235.204) 115.644,193.852 115.621,193.751

## Keep-outs
Top Layer:
  lines w0.3: 90.322,262.103 101.244,262.103 ; 90.348,262.052 90.348,253.06 97.917,253.06 ; 90.424,207.941 90.424,217.941 ; 90.424,217.932 97.688,217.932 ; 90.449,207.95 93.878,207.95 ; 93.933,207.898 ccw(c156.21,235.204) 108.573,186.678 ; 97.691,217.917 cw(c156.235,235.052) 97.946,253.034 ; 101.367,262.143 cw(c156.134,235.28) 120.203,284.575 ; 108.56,186.69 115.621,193.751 ; 115.644,193.852 ccw(c156.235,235.204) 130.691,183.193 ; 120.213,284.596 ccw(c155.938,355.877) 191.743,284.635 ; 130.785,183.155 130.835,169.977 ; 130.84,169.963 ccw(c156.21,235.204) 181.413,169.898 ; 181.508,169.926 181.508,183.231 ; 181.557,183.241 ccw(c156.024,235.151) 196.102,193.433 ; 191.803,284.623 cw(c156.185,235.102) 210.486,262.893 ; 196.101,193.434 203.352,186.182 ; 203.426,186.269 ccw(c156.21,235.204) 218.44,207.791 ; 210.541,262.89 221.945,262.89 221.945,252.857 ; 214.579,252.832 221.894,252.832 ; 214.582,252.721 cw(c156.159,235.179) 214.619,217.758 ; 214.604,217.736 221.868,217.753 ; 218.415,207.797 221.844,207.797 221.844,217.754
Bottom Layer:
  lines w0.3: 90.322,262.103 101.244,262.103 ; 90.348,262.052 90.348,253.06 97.917,253.06 ; 90.424,207.941 90.424,217.941 ; 90.424,217.932 97.688,217.932 ; 90.449,207.95 93.878,207.95 ; 93.933,207.898 ccw(c156.21,235.204) 108.573,186.678 ; 97.691,217.917 cw(c156.235,235.052) 97.946,253.034 ; 101.367,262.143 cw(c156.134,235.28) 120.203,284.575 ; 108.56,186.69 115.621,193.751 ; 115.644,193.852 ccw(c156.235,235.204) 130.691,183.193 ; 120.213,284.596 ccw(c155.938,355.877) 191.743,284.635 ; 130.785,183.155 130.835,169.977 ; 130.84,169.963 ccw(c156.21,235.204) 181.413,169.898 ; 181.508,169.926 181.508,183.231 ; 181.557,183.241 ccw(c156.024,235.151) 196.102,193.433 ; 191.803,284.623 cw(c156.185,235.102) 210.486,262.893 ; 196.101,193.434 203.352,186.182 ; 203.426,186.269 ccw(c156.21,235.204) 218.44,207.791 ; 210.541,262.89 221.945,262.89 221.945,252.857 ; 214.579,252.832 221.894,252.832 ; 214.582,252.721 cw(c156.159,235.179) 214.619,217.758 ; 214.604,217.736 221.868,217.753 ; 218.415,207.797 221.844,207.797 221.844,217.754
Keep-Out Layer:
  lines w0.254: 90.322,262.103 101.244,262.103 ; 90.348,262.052 90.348,253.06 97.917,253.06 ; 90.424,207.941 90.424,217.941 ; 90.424,217.932 97.688,217.932 ; 90.449,207.95 93.878,207.95 ; 93.933,207.898 ccw(c156.21,235.204) 108.573,186.678 ; 97.691,217.917 cw(c156.235,235.052) 97.946,253.034 ; 101.367,262.143 cw(c156.134,235.28) 120.203,284.575 ; 108.56,186.69 115.621,193.751 ; 115.644,193.852 ccw(c156.235,235.204) 130.691,183.193 ; 120.213,284.596 ccw(c155.938,355.877) 191.743,284.635 ; 130.785,183.155 130.835,169.977 ; 130.84,169.963 ccw(c156.21,235.204) 181.413,169.898 ; 181.508,169.926 181.508,183.231 ; 181.557,183.241 ccw(c156.024,235.151) 196.102,193.433 ; 191.803,284.623 cw(c156.185,235.102) 210.486,262.893 ; 196.101,193.434 203.352,186.182 ; 203.426,186.269 ccw(c156.21,235.204) 218.44,207.791 ; 210.541,262.89 221.945,262.89 221.945,252.857 ; 214.579,252.832 221.894,252.832 ; 214.582,252.721 cw(c156.159,235.179) 214.619,217.758 ; 214.604,217.736 221.868,217.753 ; 218.415,207.797 221.844,207.797 221.844,217.754

## Other copper
Top Layer:
  rectangle net GND: 154.051,239.268 157.17,242.189
Bottom Layer:
  rectangle net VCC: 152.742,237.832 158.242,243.332
  text "60.071 (mm)" at 192.7,47.092 h1.52

## Silkscreen, mask and mechanical layers (free items; w line width, h text height)
Mechanical 1:
  lines w0.3: 126.975,226.593 126.975,240.411 140.233,240.411 140.233,226.593 126.975,226.593

## Text inside footprints (layer, text, board x,y; h text height)
C1: Top Overlay "-" at 107.687,245.436 h0.8 r90
C2: Top Overlay "-" at 109.994,256.97 h0.8 r90
C3: Top Overlay "-" at 113.783,267.661 h0.8 r90
C4: Top Overlay "-" at 120.26,277.694 h0.8 r90
C9: Top Overlay "-" at 200.097,272.424 h0.8
DSW1: Top Overlay "ON" at 179.392,257.657 h1 r180
H10: Top Overlay "-" at 154.559,175.768 h1.52; Top Overlay "+" at 154.559,192.913 h1.52
R1: Top Overlay "COM" at 113.081,210.21 h1.5; Top Overlay "NO" at 118.313,218.948 h1.5; Top Overlay "NC" at 109.474,219.126 h1.5